# Altium PCB AIWAC_A33_LVDS07_20181114..PcbDoc (part 13 of 14)
Units mm, origin at the board's own origin, x right, y up, seen from the top; angles counter-clockwise.
Board outline 96.06 x 45 mm, 2 copper layers (Top Layer, Bottom Layer); 78 components, 59 nets, 22856 pads, 712 vias.
Unrouted connection lines stored in the file: 2.
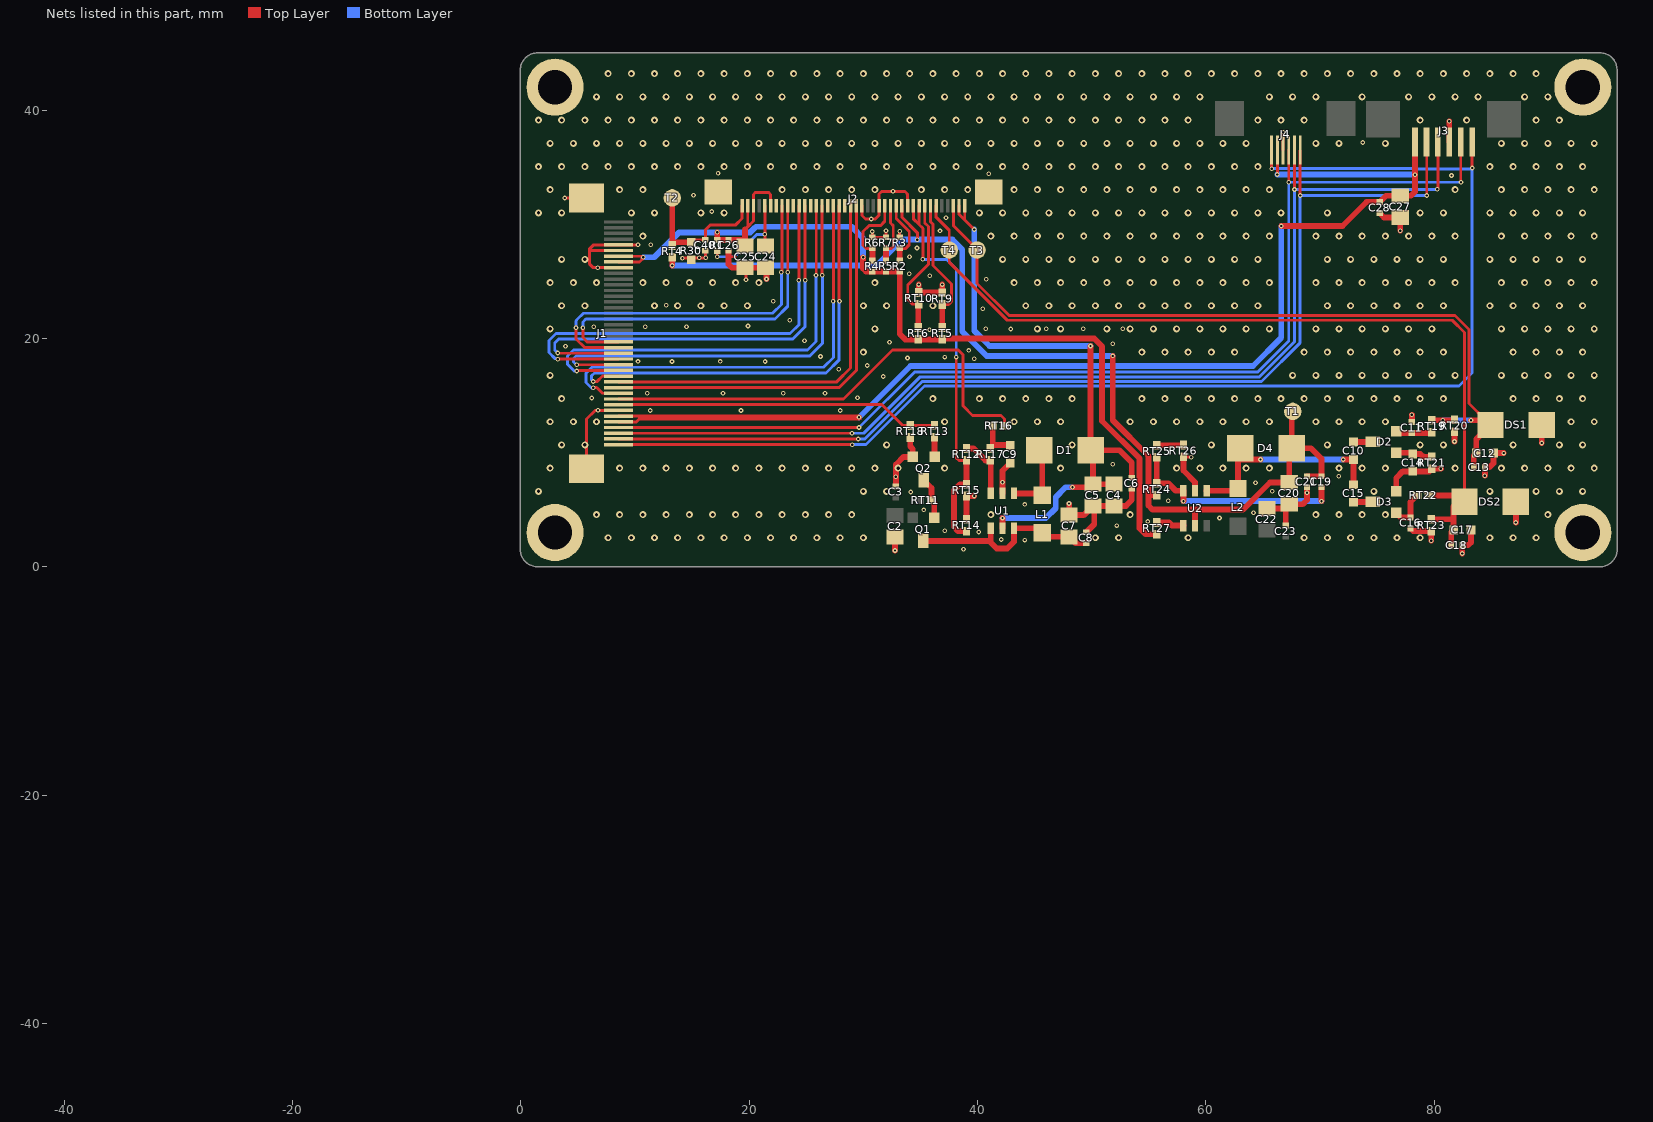
[diagram p13: the nets of this part, all layers, seen from the top]

## Via types
v1: diameter 0.61, hole 0.305, Top Layer to Bottom Layer, tented both sides, 555 vias
v2: diameter 0.406, hole 0.203, Top Layer to Bottom Layer, tented both sides, 157 vias

## Nets (pads, with @x,y where several pads share a name; then routed paths per layer and width w, separated by ;. In a path a pad name is that pad's centre, name@x,y a point inside that pad or via, vN(x,y) a via of type N, cw(c..) or ccw(c..) an arc to the next point about the centre after c; other vN are vias at no path point) (continued)
GND: C2.2 C3.2 C4.2 C5.2 C6.2 C7.2 C8.2 C9.1 C11.2 C12.1 C13.2 C14.1 C16.2 C17.1 C18.2 C20.2 C21.2 C22.2 C23.2 C24.2 C25.2 C26.2 C27.2 C28.2 C40.2 D3.2 DS1.1 DS2.2 J1.5 J1.6 J1.9 J1.34 J1.41 J1.42 J2.0 J2.7 J2.10 J2.13 J2.16 J2.19 J2.22 J2.25 J2.30 J3.4 J4.3 pad.0 Q2.2 R3.1 R6.1 R7.1 R30.1 RT9.2 RT10.2 RT14.2 RT15.2 RT18.2 RT20.1 RT21.1 RT23.1 RT26.1 U1.2 U2.2 | length 104
  Top Layer w0.254: v2(3.848,32.296) J1.42@5.751,32.296 ; J1.41@5.751,8.596 5.74,8.607 5.74,12.929 6.508,13.696 v2(6.756,13.696) J1.34@8.534,13.696 ; J1.9@8.534,26.196 v2(6.731,26.196) 6.341,26.196 5.994,26.543 5.994,27.813 ; J1.6@8.534,27.696 6.111,27.696 5.994,27.813 ; v2(10.262,28.194) 10.26,28.196 J1.5@8.534,28.196 6.377,28.196 5.994,27.813 ; v2(14.148,27.026) 14.783,27.026 R30.1@14.91,26.899 15.062,27.051 v2(15.621,27.051) v2(16.18,27.051) 16.18,27.648 C40.2@16.154,27.674 ; 18.186,27.102 18.236,27.151 18.783,27.151 ; C25.2@19.634,26.184 19.71,26.108 v2(19.71,25.146) ; J2.22@29.872,31.623 29.872,30.758 30.175,30.455 v2(30.683,30.455) 31.039,30.455 31.372,30.788 J2.25@31.372,31.623 31.372,32.642 31.598,32.868 33.63,32.868 33.872,32.625 J2.30@33.872,31.623 ; v2(30.759,29.362) 30.785,29.337 R6.1@30.785,28.854 R7.1@31.979,28.854 v2(31.979,29.439) ; R3.1@33.172,28.854 v2(33.172,29.388) ; RT26.1@58.024,9.623 58.046,9.601 v2(58.699,9.601) ; J4.3@66.751,36.485 v2(66.751,38.049)
  Top Layer w0.508: C26.2@18.186,27.674 18.186,27.102 18.186,26.492 18.495,26.184 C25.2@19.634,26.184 C24.2@21.438,26.184 21.514,26.108 v2(21.514,25.197) ; v2(32.766,1.422) C2.2@32.766,2.596 ; C3.2@32.842,7.036 v2(32.842,7.874) 32.842,8.966 33.503,9.627 Q2.2@34.328,9.627 34.328,10.325 34.1,10.554 RT18.2@34.1,11.329 ; v2(34.849,24.714) RT10.2@34.849,24.028 36.881,24.028 RT9.2@36.906,24.003 v2(36.906,24.714) ; RT14.2@39.025,4.162 RT15.2@39.025,6.194 v2(39.703,6.194) ; U1.2@42.175,6.423 v2(42.175,7.391) 42.175,8.404 C9.1@42.86,9.09 ; v2@48.017,5.527 C7.2@48.017,4.522 49.285,4.522 C5.2@50.099,5.336 ; C8.2@49.515,3.032 50.216,3.732 50.216,5.219 C5.2@50.099,5.336 ; C6.2@53.503,6.826 53.503,5.853 52.986,5.336 C4.2@51.954,5.336 C5.2@50.099,5.336 ; RT26.1@58.024,9.623 58.024,8.422 59.04,7.406 U2.2@59.04,6.652 ; C22.2@65.339,5.106 66.928,5.106 C20.2@66.99,5.168 ; C23.2@66.99,3.616 C20.2@66.99,5.168 ; C21.2@68.845,6.963 v2(68.845,6.477) 68.845,5.853 68.465,5.473 C20.2@67.295,5.473 C20.2@66.99,5.168 ; C28.2@75.209,30.973 75.595,30.587 C27.2@77.013,30.587 v2(77.013,29.439) ; D3.2@76.657,6.629 76.657,7.772 77.241,8.357 C14.1@78.105,8.357 79.553,8.357 RT21.1@79.781,8.585 v2(80.569,8.585) ; C16.2@77.915,3.353 78.143,3.124 RT23.1@79.731,3.124 v2(79.731,2.286) ; C11.2@78.029,12.675 v2(78.029,13.31) ; v2(81.305,39.014) 81.308,39.012 J3.4@81.308,37.2 ; v2(81.763,10.973) RT20.1@81.763,11.836 ; v2(82.448,1.168) 82.447,1.17 C18.2@82.447,1.88 82.956,1.88 83.209,2.133 C17.1@83.209,3.226 ; v2(84.422,7.983) C13.2@84.422,8.712 84.836,8.712 85.185,9.061 C12.1@85.185,9.957 v2(86.081,9.957) ; v2(87.137,3.876) DS2.2@87.137,5.69 ; v2(89.412,10.842) DS1.1@89.412,12.421
  other v1: 7.64,2.541 9.672,2.541 11.704,2.541 13.736,2.541 15.768,2.541 17.8,2.541 19.832,2.541 21.864,2.541 23.896,2.541 25.928,2.541 27.96,2.541 29.992,2.541 50.312,2.541 52.344,2.541 58.44,2.541 68.6,2.541 70.632,2.541 72.664,2.541 74.696,2.541 76.728,2.541 78.76,2.541 84.856,2.541 86.888,2.541 88.92,2.541 6.624,4.573 8.656,4.573 10.688,4.573 12.72,4.573 14.752,4.573 16.784,4.573 18.816,4.573 20.848,4.573 22.88,4.573 24.912,4.573 26.944,4.573 28.976,4.573 41.168,4.573 53.36,4.573 69.616,4.573 71.648,4.573 73.68,4.573 75.712,4.573 89.936,4.573 1.544,6.605 29.992,6.605 32.024,6.605 74.696,6.605 84.856,6.605 88.92,6.605 90.952,6.605 92.984,6.605 2.56,8.637 8.656,8.637 10.688,8.637 12.72,8.637 14.752,8.637 16.784,8.637 18.816,8.637 20.848,8.637 22.88,8.637 24.912,8.637 26.944,8.637 28.976,8.637 31.008,8.637 33.04,8.637 37.104,8.637 47.264,8.637 57.424,8.637 59.456,8.637 61.488,8.637 63.52,8.637 65.552,8.637 71.648,8.637 73.68,8.637 75.712,8.637 81.808,8.637 85.872,8.637 87.904,8.637 89.936,8.637 91.968,8.637 94,8.637 3.576,10.669 5.608,10.669 32.024,10.669 48.28,10.669 60.472,10.669 70.632,10.669 78.76,10.669 80.792,10.669 86.888,10.669 90.952,10.669 92.984,10.669 2.56,12.701 4.592,12.701 6.624,12.701 37.104,12.701 43.2,12.701 45.232,12.701 47.264,12.701 53.36,12.701 55.392,12.701 57.424,12.701 59.456,12.701 61.488,12.701 63.52,12.701 65.552,12.701 69.616,12.701 71.648,12.701 73.68,12.701 75.712,12.701 91.968,12.701 94,12.701 3.576,14.733 36.088,14.733 40.152,14.733 42.184,14.733 44.216,14.733 46.248,14.733 48.28,14.733 54.376,14.733 56.408,14.733 58.44,14.733 60.472,14.733 62.504,14.733 64.536,14.733 66.568,14.733 68.6,14.733 70.632,14.733 72.664,14.733 74.696,14.733 76.728,14.733 78.76,14.733 80.792,14.733 86.888,14.733 88.92,14.733 90.952,14.733 92.984,14.733 2.56,16.765 67.584,16.765 69.616,16.765 71.648,16.765 73.68,16.765 75.712,16.765 77.744,16.765 79.776,16.765 81.808,16.765 85.872,16.765 87.904,16.765 89.936,16.765 91.968,16.765 94,16.765 29.992,18.797 54.376,18.797 56.408,18.797 58.44,18.797 60.472,18.797 62.504,18.797 68.6,18.797 70.632,18.797 72.664,18.797 74.696,18.797 76.728,18.797 78.76,18.797 80.792,18.797 86.888,18.797 88.92,18.797 90.952,18.797 92.984,18.797 2.56,20.829 31.008,20.829 45.232,20.829 47.264,20.829 51.328,20.829 53.36,20.829 55.392,20.829 57.424,20.829 59.456,20.829 61.488,20.829 63.52,20.829 65.552,20.829 69.616,20.829 71.648,20.829 73.68,20.829 75.712,20.829 77.744,20.829 79.776,20.829 85.872,20.829 87.904,20.829 89.936,20.829 91.968,20.829 94,20.829 3.576,22.861 5.608,22.861 11.704,22.861 13.736,22.861 15.768,22.861 17.8,22.861 19.832,22.861 29.992,22.861 32.024,22.861 36.088,22.861 44.216,22.861 46.248,22.861 48.28,22.861 50.312,22.861 52.344,22.861 54.376,22.861 56.408,22.861 58.44,22.861 60.472,22.861 62.504,22.861 64.536,22.861 70.632,22.861 72.664,22.861 74.696,22.861 76.728,22.861 78.76,22.861 80.792,22.861 84.856,22.861 86.888,22.861 88.92,22.861 90.952,22.861 92.984,22.861 2.56,24.893 4.592,24.893 6.624,24.893 10.688,24.893 12.72,24.893 14.752,24.893 16.784,24.893 18.816,24.893 20.848,24.893 31.008,24.893 43.2,24.893 45.232,24.893 47.264,24.893 49.296,24.893 51.328,24.893 53.36,24.893 55.392,24.893 57.424,24.893 59.456,24.893 61.488,24.893 63.52,24.893 65.552,24.893 69.616,24.893 71.648,24.893 73.68,24.893 75.712,24.893 77.744,24.893 79.776,24.893 81.808,24.893 85.872,24.893 87.904,24.893 89.936,24.893 91.968,24.893 94,24.893 3.576,26.925 5.608,26.925 42.184,26.925 44.216,26.925 46.248,26.925 48.28,26.925 50.312,26.925 52.344,26.925 54.376,26.925 56.408,26.925 58.44,26.925 60.472,26.925 62.504,26.925 64.536,26.925 70.632,26.925 72.664,26.925 74.696,26.925 76.728,26.925 78.76,26.925 80.792,26.925 84.856,26.925 86.888,26.925 88.92,26.925 90.952,26.925 92.984,26.925 10.688,28.957 41.168,28.957 43.2,28.957 45.232,28.957 47.264,28.957 49.296,28.957 51.328,28.957 53.36,28.957 55.392,28.957 57.424,28.957 59.456,28.957 61.488,28.957 63.52,28.957 65.552,28.957 69.616,28.957 71.648,28.957 73.68,28.957 75.712,28.957 77.744,28.957 79.776,28.957 81.808,28.957 85.872,28.957 87.904,28.957 89.936,28.957 91.968,28.957 94,28.957 1.544,30.989 3.576,30.989 9.672,30.989 11.704,30.989 15.768,30.989 17.8,30.989 40.152,30.989 42.184,30.989 44.216,30.989 46.248,30.989 48.28,30.989 50.312,30.989 52.344,30.989 54.376,30.989 56.408,30.989 58.44,30.989 60.472,30.989 62.504,30.989 64.536,30.989 66.568,30.989 70.632,30.989 78.76,30.989 80.792,30.989 84.856,30.989 86.888,30.989 88.92,30.989 90.952,30.989 92.984,30.989 2.56,33.021 8.656,33.021 10.688,33.021 22.88,33.021 24.912,33.021 26.944,33.021 28.976,33.021 31.008,33.021 35.072,33.021 37.104,33.021 39.136,33.021 43.2,33.021 45.232,33.021 47.264,33.021 49.296,33.021 51.328,33.021 53.36,33.021 55.392,33.021 57.424,33.021 59.456,33.021 61.488,33.021 63.52,33.021 65.552,33.021 81.808,33.021 85.872,33.021 87.904,33.021 89.936,33.021 91.968,33.021 94,33.021 1.544,35.053 3.576,35.053 5.608,35.053 7.64,35.053 9.672,35.053 11.704,35.053 13.736,35.053 15.768,35.053 17.8,35.053 19.832,35.053 21.864,35.053 23.896,35.053 25.928,35.053 27.96,35.053 29.992,35.053 32.024,35.053 34.056,35.053 36.088,35.053 38.12,35.053 40.152,35.053 42.184,35.053 44.216,35.053 46.248,35.053 48.28,35.053 50.312,35.053 52.344,35.053 54.376,35.053 56.408,35.053 58.44,35.053 60.472,35.053 62.504,35.053 64.536,35.053 84.856,35.053 86.888,35.053 88.92,35.053 90.952,35.053 92.984,35.053 2.56,37.085 4.592,37.085 6.624,37.085 8.656,37.085 10.688,37.085 12.72,37.085 14.752,37.085 16.784,37.085 18.816,37.085 20.848,37.085 22.88,37.085 24.912,37.085 26.944,37.085 28.976,37.085 31.008,37.085 33.04,37.085 35.072,37.085 37.104,37.085 39.136,37.085 41.168,37.085 43.2,37.085 45.232,37.085 47.264,37.085 49.296,37.085 51.328,37.085 53.36,37.085 55.392,37.085 57.424,37.085 59.456,37.085 61.488,37.085 63.52,37.085 69.616,37.085 71.648,37.085 75.712,37.085 85.872,37.085 87.904,37.085 89.936,37.085 91.968,37.085 94,37.085 1.544,39.117 3.576,39.117 5.608,39.117 7.64,39.117 9.672,39.117 11.704,39.117 13.736,39.117 15.768,39.117 17.8,39.117 19.832,39.117 21.864,39.117 23.896,39.117 25.928,39.117 27.96,39.117 29.992,39.117 32.024,39.117 34.056,39.117 36.088,39.117 38.12,39.117 40.152,39.117 42.184,39.117 44.216,39.117 46.248,39.117 48.28,39.117 50.312,39.117 52.344,39.117 54.376,39.117 56.408,39.117 58.44,39.117 64.536,39.117 66.568,39.117 68.6,39.117 78.76,39.117 82.824,39.117 88.92,39.117 90.952,39.117 6.624,41.149 8.656,41.149 10.688,41.149 12.72,41.149 14.752,41.149 16.784,41.149 18.816,41.149 20.848,41.149 22.88,41.149 24.912,41.149 26.944,41.149 28.976,41.149 31.008,41.149 33.04,41.149 35.072,41.149 37.104,41.149 39.136,41.149 41.168,41.149 43.2,41.149 45.232,41.149 47.264,41.149 49.296,41.149 51.328,41.149 53.36,41.149 55.392,41.149 57.424,41.149 59.456,41.149 65.552,41.149 67.584,41.149 69.616,41.149 73.68,41.149 77.744,41.149 79.776,41.149 81.808,41.149 83.84,41.149 87.904,41.149 89.936,41.149 7.64,43.181 9.672,43.181 11.704,43.181 13.736,43.181 15.768,43.181 17.8,43.181 19.832,43.181 21.864,43.181 23.896,43.181 25.928,43.181 27.96,43.181 29.992,43.181 32.024,43.181 34.056,43.181 36.088,43.181 38.12,43.181 40.152,43.181 42.184,43.181 44.216,43.181 46.248,43.181 48.28,43.181 50.312,43.181 52.344,43.181 54.376,43.181 56.408,43.181 58.44,43.181 60.472,43.181 62.504,43.181 64.536,43.181 66.568,43.181 68.6,43.181 70.632,43.181 72.664,43.181 74.696,43.181 76.728,43.181 78.76,43.181 80.792,43.181 82.824,43.181 84.856,43.181 86.888,43.181 88.92,43.181
  other v2: 38.76,1.525 44.12,2.337 42.083,2.388 40.107,3.049 37.109,3.15 52.197,3.608 54.889,3.963 61.189,4.268 64.16,4.724 35.281,4.979 44.115,5.461 48.006,5.537 56.693,5.792 34.158,6.553 65.811,6.605 64.333,7.366 71.628,7.925 51.836,8.966 11.328,13.691 19.279,13.691 27.965,13.691 6.198,14.783 29.484,14.808 11.074,15.189 17.704,15.189 22.982,15.189 26.639,15.189 31.75,16.663 27.838,17.297 30.348,17.628 10.262,17.984 13.233,17.983 17.475,17.984 21.387,17.983 39.7,18.212 33.858,18.288 37.135,18.364 26.238,18.415 39.218,18.948 3.912,19.304 51.841,19.533 32.283,19.66 24.841,19.787 35.789,20.752 42.901,20.828 40.716,20.853 45.999,20.853 49.251,20.853 52.705,20.853 6.375,21.031 10.897,21.031 14.503,21.032 19.888,21.082 23.546,21.59 40.462,22.606 12.725,22.911 22.098,23.241 40.762,25.171 35.814,25.476 34.011,25.654 34.036,27.153 34.696,27.915 11.379,28.194 36.703,29.413 37.236,30.556 16.713,31.115 15.113,32.537 32.588,32.893 81.503,34.265 40.97,34.417 17.272,34.468 73.736,37.16
I2C_SCK: J1.39 J3.2 J4.6 | length 95.9
  Top Layer w0.254: J1.39@8.534,11.196 v2(29.56,11.196) ; v2(68.25,32.512) J4.6@68.25,36.433 ; v2@79.334,32.447 79.334,32.512 79.334,37.2 J3.2@79.334,37.211
  Bottom Layer w0.254: v2(29.56,11.196) 30.119,11.196 35.154,16.231 64.853,16.231 68.25,19.628 v2(68.25,32.512) v2(79.323,32.512)
I2C_SDA: J1.38 J3.3 J4.5 | length 96
  Top Layer w0.254: J1.38@8.534,11.696 v2(28.995,11.696) ; v2(67.751,33.045) J4.5@67.751,36.485 ; v2(80.264,33.071) 80.308,33.115 J3.3@80.308,37.2
  Bottom Layer w0.254: v2(28.995,11.696) 30.035,11.696 34.976,16.637 64.684,16.637 67.751,19.704 v2(67.751,33.045) 80.239,33.045 v2(80.264,33.071)
LCD-BL-EN: J1.33 RT13.2 RT18.1 | length 28.5
  Top Layer w0.254: J1.33@8.534,14.196 31.626,14.196 33.426,12.395 34.074,12.395 RT18.1@34.1,12.37 36.208,12.37 RT13.2@36.233,12.395
LCD_5V: C7.1 C8.1 L1.1 Q1.3 U1.4 U1.6 | length 17.8
  Top Layer w0.508: Q1.3@35.243,2.261 41.021,2.261 41.159,2.123 ; U1.4@41.159,3.375 41.159,2.123 ; C8.1@49.515,2.067 48.572,2.067 C7.1@48.017,2.622 46.001,2.622 L1.1@45.654,2.969 45.248,3.375 U1.6@43.191,3.375 43.191,2.195 42.596,1.6 41.681,1.6 41.159,2.123
LCD_AVDD: C19.1 C20.1 C21.1 D4.2 J2.29 RT4.2 RT24.1 T1.1 U2.5 | length 94.4
  Top Layer w0.254: J2.29@33.372,31.623 33.372,30.611 34.722,29.261 v2(34.722,28.651)
  Top Layer w0.508: v2(13.259,26.391) RT4.2@13.259,27.102 ; v2(51.841,18.466) 51.841,12.827 54.964,9.705 54.964,6.198 ; RT24.1@55.687,6.271 55.036,6.271 54.964,6.198 ; U2.5@59.04,3.604 59.04,4.837 59.207,5.004 ; T1.1@67.6,13.611 67.503,13.514 D4.2@67.503,10.385 ; C21.1@68.845,7.928 C19.1@70.115,7.928 70.115,9.464 69.193,10.385 D4.2@67.503,10.385 ; 54.964,6.198 54.964,5.361 55.321,5.004 59.207,5.004 ; 59.207,5.004 63.246,5.004 65.615,7.373 C20.1@67.295,7.373 67.295,10.178 D4.2@67.503,10.385
  Bottom Layer w0.508: v2(13.259,26.391) 31.14,26.391 33.401,28.651 v2(34.722,28.651) 37.795,28.651 38.659,27.788 38.659,20.599 40.792,18.466 v2(51.841,18.466)
LCD_RST: C24.1 J2.5 R1.1 | length 9.1
  Top Layer w0.254: v2(17.196,27.153) R1.1@17.196,27.661 ; J2.5@21.372,31.623 v2(21.372,29.108) 21.372,28.15 C24.1@21.438,28.084
  Bottom Layer w0.254: v2(17.196,27.153) 18.703,27.153 20.659,29.108 v2(21.372,29.108)
LCD_VCOM: C40.1 J2.1 R30.2 RT4.1 T2.1 | length 12.9
  Top Layer w0.254: R30.2@14.91,28.423 15.126,28.639 C40.1@16.154,28.639 16.154,29.489 16.612,29.947 18.821,29.947 19.372,30.497 J2.1@19.372,31.623
  Top Layer w0.508: T2.1@13.259,32.309 RT4.1@13.259,28.143 13.538,28.423 R30.2@14.91,28.423
LCD_VGH: C12.2 C13.1 DS1.2 J2.38 RT19.1 RT20.2 T3.1 | length 71.6
  Top Layer w0.254: J2.38@37.872,31.623 37.872,29.895 39.954,27.813 T3.1@39.954,27.737 39.954,24.816 42.774,21.996 81.813,21.996 83.043,20.767 83.043,14.29 84.506,12.827 DS1.2@84.912,12.421
  Top Layer w0.508: RT19.1@79.781,12.827 v2(80.747,12.827) 81.712,12.827 RT20.2@81.763,12.878 ; v2(83.21,12.827) DS1.2@84.506,12.827 ; C13.1@83.457,8.712 83.457,9.753 C12.2@83.661,9.957 83.661,11.169 DS1.2@84.912,12.421
  Bottom Layer w0.508: v2(80.747,12.827) v2(83.21,12.827)
LCD_VGL: C17.2 C18.1 DS2.1 J2.35 RT22.1 RT23.2 T4.1 | length 76.7
  Top Layer w0.254: J2.35@36.372,31.623 36.372,30.608 37.516,29.464 T4.1@37.516,27.737 37.516,26.67 42.596,21.59 81.559,21.59 82.637,20.513 DS2.1@82.637,5.69
  Top Layer w0.508: RT22.1@79.527,6.248 82.078,6.248 DS2.1@82.637,5.69 ; RT23.2@79.731,4.166 81.609,4.166 81.685,4.242 ; C18.1@81.482,1.88 81.482,3.022 C17.2@81.685,3.226 81.685,4.242 ; DS2.1@81.685,5.284 81.685,4.242
LCDS0_VN3: J1.29 J2.20 | length 35.1
  Top Layer w0.254: J1.29@8.534,16.196 27.67,16.196 28.872,17.398 J2.20@28.872,31.623
LCDS0_VP3: J1.30 J2.21 | length 35.9
  Top Layer w0.254: J1.30@8.534,15.696 9.931,15.696 9.935,15.692 27.884,15.692 29.38,17.188 J2.21@29.38,31.623
LR: J2.33 RT6.2 RT10.1 | length 12.3
  Top Layer w0.254: RT10.1@34.849,22.987 34.315,22.987 33.884,23.419 33.884,24.689 35.687,26.492 35.687,29.794 35.372,30.109 J2.33@35.372,31.623
  Top Layer w0.508: RT6.2@34.798,20.955 34.798,22.936 RT10.1@34.849,22.987
LVDS0_VN0: J1.23 J2.8 | length 32.8
  Top Layer w0.254: v2@4.826,21.031 v2(4.826,20.93) 4.826,19.957 5.587,19.196 J1.23@8.534,19.196 ; v2@22.868,25.781 22.868,30.892 22.872,30.896 J2.8@22.872,31.623
  Bottom Layer w0.254: v2@4.826,21.031 4.826,21.539 4.928,21.641 4.928,21.648 5.479,22.2 22.04,22.2 22.817,22.977 v2(22.817,25.781)
LVDS0_VN1: J1.25 J2.11 | length 40.3
  Top Layer w0.254: v2(3.226,18.167) 3.251,18.192 7.133,18.192 7.137,18.196 J1.25@8.534,18.196 ; v2@24.372,25.095 J2.11@24.372,31.623
  Bottom Layer w0.254: v2(3.226,18.167) 3.175,18.217 3.015,18.217 2.464,18.769 2.464,19.819 3.084,20.439 23.581,20.439 24.372,21.229 24.372,25.07 v2(24.346,25.095)
LVDS0_VN2: J1.27 J2.14 | length 39.6
  Top Layer w0.254: v2(4.902,17.145) 4.947,17.19 7.131,17.19 7.137,17.196 J1.27@8.534,17.196 ; v2(25.842,25.527) 25.872,25.556 J2.14@25.872,31.623
  Bottom Layer w0.254: v2(4.902,17.145) 4.674,17.145 4.089,17.73 4.089,18.448 4.616,18.974 25.096,18.974 25.842,19.721 v2(25.842,25.527)
LVDS0_VNC: J1.31 J2.17 | length 39.6
  Top Layer w0.254: v2(6.35,15.667) 6.375,15.692 6.641,15.692 7.137,15.196 J1.31@8.534,15.196 ; v2(27.342,23.248) 27.372,23.219 J2.17@27.372,31.623
  Bottom Layer w0.254: v2(6.35,15.667) 6.19,15.667 5.71,16.147 5.71,16.956 6.229,17.475 26.504,17.475 27.368,18.339 27.368,23.223 v2(27.342,23.248)
LVDS0_VP0: J1.22 J2.9 | length 31.9
  Top Layer w0.254: v2(5.436,20.93) 5.436,20.066 5.806,19.696 J1.22@8.534,19.696 ; J2.9@23.372,31.623 23.372,30.896 23.376,30.892 v2(23.376,25.781)
  Bottom Layer w0.254: v2(5.436,20.93) 5.436,21.438 5.69,21.692 22.25,21.692 23.376,22.817 v2(23.376,25.781)
LVDS0_VP1: J1.24 J2.12 | length 39.4
  Top Layer w0.254: v2(3.226,18.725) 3.251,18.7 7.133,18.7 7.137,18.696 J1.24@8.534,18.696 ; v2@24.872,25.095 J2.12@24.872,31.623
  Bottom Layer w0.254: v2(3.226,18.725) 2.972,18.979 2.972,19.609 3.294,19.931 23.792,19.931 24.88,21.019 24.88,25.07 v2(24.905,25.095)
LVDS0_VP2: J1.26 J2.15 | length 38.8
  Top Layer w0.254: v2@4.851,17.704 4.859,17.696 J1.26@8.534,17.696 ; J2.15@26.372,31.623 26.372,25.556 v2(26.401,25.527)
  Bottom Layer w0.254: v2(4.902,17.704) 4.834,17.704 4.597,17.94 4.597,18.237 4.827,18.466 25.306,18.466 25.604,18.764 26.401,19.561 v2(26.401,25.527)
LVDS0_VPC: J1.28 J2.18 | length 38.8
  Top Layer w0.254: v2(6.35,16.225) 6.375,16.2 6.641,16.2 7.137,16.696 J1.28@8.534,16.696 ; J2.18@27.872,31.623 27.872,23.219 v2(27.901,23.248)
  Bottom Layer w0.254: v2(6.35,16.225) 6.198,16.378 6.198,16.725 6.439,16.967 26.715,16.967 27.876,18.128 27.876,23.223 v2(27.901,23.248)
NBW: J2.26 R4.1 R6.2 | length 6.8
  Top Layer w0.254: R6.2@30.785,27.889 30.226,27.889 29.972,28.143 29.972,29.362 30.48,29.87 31.486,29.87 31.872,30.257 J2.26@31.872,31.623
  Top Layer w0.508: R4.1@30.785,26.822 R6.2@30.785,27.889
NetC9_2: C9.2 RT16.1 RT17.2 | length 3.7
  Top Layer w0.508: RT17.2@41.108,10.36 RT17.2@41.319,10.571 ; RT16.1@41.319,12.341 RT17.2@41.319,10.571 ; C9.2@42.86,10.614 42.806,10.668 41.416,10.668 RT17.2@41.319,10.571
NetC10_1: C10.1 D2.3 | length 1.7
  Top Layer w0.508: C10.1@72.923,10.922 74.6,10.922 D2.3@74.625,10.947
NetC11_1: C11.1 D2.2 RT19.2 | length 3.2
  Top Layer w0.508: D2.2@76.657,11.887 76.835,11.709 C11.1@78.029,11.709 79.705,11.709 RT19.2@79.781,11.786
NetC15_1: C15.1 D3.3 | length 1.7
  Top Layer w0.508: C15.1@72.923,5.664 74.6,5.664 D3.3@74.625,5.69
NetC16_1: C16.1 D3.1 RT22.2 | length 3.6
  Top Layer w0.508: D3.1@76.657,4.724 77.064,4.318 C16.1@77.915,4.318 77.915,5.677 RT22.2@78.486,6.248
NetC19_2: C19.2 RT24.2 RT25.2 U2.3 | length 19.1
  Top Layer w0.508: RT25.2@55.687,9.598 RT24.2@55.687,7.312 56.696,7.312 57.356,6.652 U2.3@58.024,6.652 v2(58.024,5.751) ; v2(70.115,5.751) C19.2@70.115,6.963
  Bottom Layer w0.508: v2(58.024,5.751) v2(70.115,5.751)
NetD1_1: D1.1 L1.2 U1.1 | length 6.6
  Top Layer w0.508: U1.1@43.191,6.423 45.502,6.423 L1.2@45.654,6.271 45.654,9.954 D1.1@45.4,10.208
NetQ1_1: Q1.1 Q2.3 RT11.2 | length 3.7
  Top Layer w0.508: Q2.3@35.268,7.595 35.954,6.909 RT11.2@35.954,5.817 36.208,5.563 Q1.1@36.208,4.293
NetQ2_1: Q2.1 RT13.1 | length 1.7
  Top Layer w0.508: Q2.1@36.233,9.627 RT13.1@36.233,11.354
NetRT12_2: RT12.2 RT17.1 U1.3 | length 5.4
  Top Layer w0.508: RT12.2@39.025,10.36 39.653,10.36 40.694,9.319 RT17.1@41.108,9.319 41.159,9.268 U1.3@41.159,6.423
NetRT25_1: RT25.1 RT26.2 | length 2.3
  Top Layer w0.508: RT25.1@55.687,10.639 57.999,10.639 RT26.2@58.024,10.665
NetRT27_1: RT27.1 U2.4 | length 2.5
  Top Layer w0.508: RT27.1@55.687,3.883 56.772,3.883 57.052,3.604 U2.4@58.024,3.604
PWM0: J1.32 RT16.2 | length 41.3
  Top Layer w0.254: J1.32@8.534,14.696 28.26,14.696 32.537,18.974 38.303,18.974 38.735,18.542 38.735,14.072 39.548,13.259 42.056,13.259 42.36,12.954 RT16.2@42.36,12.341
SELB: J2.28 R2.1 R3.2 | length 5.9
  Top Layer w0.254: J2.28@32.872,31.623 32.872,30.501 34.011,29.362 34.011,28.194 33.706,27.889 R3.2@33.172,27.889
  Top Layer w0.508: R2.1@33.172,26.822 R3.2@33.172,27.889
TP_INT: J1.37 J3.5 J4.4 | length 97.2
  Top Layer w0.254: J1.37@8.534,12.196 29.612,12.196 v2(29.616,12.192) ; v2(67.251,33.672) J4.4@67.251,36.485 ; J3.5@82.308,37.2 82.308,33.694 v2(82.329,33.672)
  Bottom Layer w0.254: v2(29.616,12.192) 34.468,17.043 64.516,17.043 67.251,19.779 v2(67.251,33.672) v2(82.329,33.672)
TP_WAKEUP: J1.40 J3.6 J4.1 | length 116.8
  Top Layer w0.254: J1.40@8.534,10.696 v2(29.03,10.696) ; v2(65.751,34.849) J4.1@65.751,36.485 ; v2(83.308,34.929) J3.6@83.308,37.2
  Bottom Layer w0.254: v2(29.03,10.696) 30.229,10.696 35.357,15.824 82.169,15.824 83.308,16.963 v2(83.308,34.929) 83.228,34.849 78.555,34.849 ; v2(65.751,34.849) 65.794,34.892 78.512,34.892
UD: J2.34 RT5.2 RT9.1 | length 12.1
  Top Layer w0.254: J2.34@35.872,31.623 35.872,30.219 36.093,29.997 36.093,26.391 37.719,24.765 37.719,23.216 37.465,22.962 RT9.1@36.906,22.962
  Top Layer w0.508: RT5.2@36.906,20.955 RT9.1@36.906,22.962
V_SW: C10.2 C15.2 D4.1 L2.2 U2.1 | length 18.1
  Top Layer w0.508: U2.1@60.056,6.652 62.596,6.652 L2.2@62.799,6.855 62.799,9.703 63.104,9.398 v2(64.77,9.398) ; v2(72.034,9.398) C10.2@72.923,9.398 C15.2@72.923,7.188
  Bottom Layer w0.508: v2(64.77,9.398) v2(72.034,9.398)
VCC-CTP: C27.1 C28.1 J1.35 J1.36 J3.1 J4.2 | length 104.5
  Top Layer w0.254: J1.36@8.534,12.696 10.117,12.696 10.502,13.081 ; J1.35@8.534,13.196 10.617,13.196 ; v2(66.251,34.358) J4.2@66.251,36.485
  Top Layer w0.508: 10.502,13.081 v2(29.616,13.081) ; v2(66.599,29.845) 71.958,29.845 74.051,31.938 C28.1@75.209,31.938 75.757,32.487 C27.1@77.013,32.487 77.953,32.487 78.308,32.842 v2(78.308,34.341) J3.1@78.308,37.186
  Bottom Layer w0.508: v2(29.616,13.081) 34.112,17.577 64.11,17.577 66.599,20.066 v2(66.599,29.845) ; v2(66.251,34.358) 78.291,34.358 v2(78.308,34.341)
VCC_AVDD: C14.2 D2.1 RT21.2 | length 3.3
  Top Layer w0.508: D2.1@76.657,9.982 78.003,9.982 C14.2@78.105,9.881 78.765,9.881 79.019,9.627 RT21.2@79.781,9.627
VCC_LCD: C25.1 C26.1 J1.7 J1.8 J2.2 J2.3 J2.6 R1.2 R2.2 R4.2 R5.2 RT5.1 RT6.1 RT27.2 | length 86.4
  Top Layer w0.254: J1.8@8.534,26.696 10.397,26.696 v2@10.761,27.06 ; J1.7@8.534,27.196 v2@10.719,27.196 ; C26.1@18.173,28.626 C26.1@18.186,28.639 ; 19.634,29.54 19.872,29.778 ; J2.2@19.872,31.623 19.872,29.778 ; J2.6@21.872,31.623 21.872,32.611 21.692,32.791 20.574,32.791 20.372,32.589 J2.3@20.372,31.623 20.372,30.278 19.872,29.778
  Top Layer w0.508: v2(17.196,29.286) R1.2@17.196,28.626 C26.1@18.173,28.626 ; C26.1@18.186,28.639 19.622,28.639 C25.1@19.634,28.651 ; C25.1@19.634,28.084 C25.1@19.634,28.651 ; 19.634,29.54 C25.1@19.634,28.651 ; v2(29.972,27.102) 29.972,26.111 30.226,25.857 R4.2@30.785,25.857 R5.2@31.979,25.857 R2.2@33.172,25.857 33.172,20.396 33.655,19.914 RT6.1@34.798,19.914 RT5.1@36.906,19.914 36.982,19.99 50.216,19.99 50.902,19.304 50.902,12.776 54.189,9.489 54.189,3.368 54.715,2.842 RT27.2@55.687,2.842
  Bottom Layer w0.508: v2(10.719,27.102) 11.684,27.102 13.868,29.286 v2(17.196,29.286) 20.082,29.286 20.438,29.642 20.447,29.642 20.583,29.778 28.972,29.778 29.972,28.778 v2(29.972,27.102)
VLED+: C4.1 C5.1 C6.1 D1.2 J2.39 J2.40 U1.5 | length 53.6
  Top Layer w0.254: J2.39@38.372,31.623 38.372,30.869 38.872,30.369 ; J2.40@38.872,31.623 38.872,30.369 ; v2(39.7,29.54) 38.872,30.369
  Top Layer w0.508: U1.5@42.175,3.375 v2@42.175,4.264 ; v2(48.311,6.96) 49.823,6.96 C5.1@50.099,7.236 ; v2(49.886,19.329) 49.886,10.447 50.013,10.32 D1.2@49.9,10.208 ; C4.1@51.954,7.236 C5.1@50.099,7.236 ; C6.1@53.503,7.791 53.503,9.133 52.429,10.208 D1.2@49.9,10.208 ; D1.2@49.9,10.208 50.099,10.009 C5.1@50.099,7.236
  Bottom Layer w0.508: v2(39.7,29.54) 39.7,20.676 41.046,19.329 v2(49.886,19.329) ; v2(42.175,4.264) 45.971,4.264 46.838,5.131 46.838,6.096 47.701,6.96 v2(48.311,6.96)
VLED-: J2.31 J2.32 RT12.1 RT14.1 RT15.1 | length 35.4
  Top Layer w0.254: J2.31@34.372,31.623 34.372,30.474 34.872,29.974 ; J2.32@34.872,31.623 34.872,29.974 ; v2(35.204,26.924) 35.204,29.642 34.872,29.974 ; v2(38.125,18.364) 38.125,9.55 38.357,9.319 RT12.1@39.025,9.319
  Top Layer w0.508: RT14.1@39.025,3.121 38.306,3.121 37.922,3.505 37.922,6.706 38.452,7.236 RT15.1@39.025,7.236 RT12.1@39.025,9.319
  Bottom Layer w0.254: v2(35.204,26.924) 37.274,26.924 38.125,26.073 v2(38.125,18.364)
XON: J2.27 R5.1 R7.2 | length 5.4
  Top Layer w0.254: R7.2@31.979,27.889 32.461,27.889 32.614,28.042 32.614,29.87 32.372,30.112 J2.27@32.372,31.623
  Top Layer w0.508: R5.1@31.979,26.822 R7.2@31.979,27.889
pads on no net: J2.4 J2.23 J2.24 J2.36 J2.37 J3.7 J3.8 J4.0
copper on no net: | length 3.2
  Top Layer w0.508: 17.272,32.823 17.272,34.468 ; 40.97,34.417 40.972,34.415 40.972,32.823

## Polygon pours and split planes (outlines as drawn)
GND on Top Layer "AutoNaming" (hatched 90Degree grid 0.102 track 0.127, remove dead copper, pour order 9): 1.5,45 1.534,45.034 94.717,45.034 94.894,45.034 96.037,43.891 95.961,43.815 95.961,1.245 95.961,0.965 94.971,-0.025 89.865,-0.025 0.94,-0.025 -0.051,0.965 -0.076,0.991 -0.076,3.556 -0.076,44.069 0.508,44.653 0.855,45 1.5,45
ACIN5V on Top Layer "g" (hatched 90Degree grid 0.102 track 0.127, remove dead copper, pour order 5): 5.232,28.931 5.334,28.931 5.817,29.413 5.817,29.921 6.147,30.251 6.198,30.302 6.833,30.302 6.833,28.677 6.68,28.524 6.655,28.499 5.613,28.499 5.309,28.499 5.055,28.753 5.08,28.778 5.08,28.88
VLED+ on Drill Drawing "g" (hatched 90Degree grid 0.102 track 0.127, remove dead copper): 38.303,31.115 38.303,30.607 38.379,30.531 39.548,29.362 39.7,29.362 39.802,29.362 40.005,29.566 39.003,30.567 39.003,30.601 39.003,30.85 39,30.853 38.829,31.024 38.515,31.024
VCC_LCD on Drill Drawing "g" (hatched 90Degree grid 0.102 track 0.127, remove dead copper): 17.12,29.54 17.17,29.489 19.101,29.489 19.15,29.489 19.745,30.084 19.787,30.126 19.787,30.556 19.787,30.687 19.872,30.772 19.961,30.861 20.396,30.861 20.41,30.861 20.499,30.772 20.583,30.688 20.583,29.778 20.583,29.422 20.371,29.21 20.345,29.185 20.345,28.423 17.382,28.423 16.924,28.881 16.942,28.899 16.942,29.286 16.942,29.337 17.145,29.54
GND on Bottom Layer "Bottom Layer-No Net" (solid, remove dead copper, pour order 11): 1.397,45.009 95.021,45.009 95.021,44.856 96.063,43.815 95.936,43.688 95.936,1.436 94.5,0 1.444,0 -0.056,1.5 0.33,1.886 0.33,44.425 0.925,44.425 1.5,45

## Keep-outs
Keep-Out Layer:
  the board outline again, w0.2

## Other copper
Top Layer:
  pour cut-out: 10.109,12.471 10.566,12.929 29.794,12.929 29.82,12.954 29.992,12.781 29.992,12.378 10.436,12.378 10.117,12.696
  pour cut-out: 32.08,28.397 32.182,28.296 32.182,26.568 33.35,26.568 33.401,26.62 33.325,26.696 33.325,28.753 32.411,28.753 32.08,28.423
  pour cut-out: 82.347,12.675 82.448,12.573 84.049,12.573 84.049,8.84 84.15,8.738 83.743,8.331 82.596,8.331 82.519,8.255 82.215,8.56 82.215,12.357
  pour cut-out: 51.054,19.406 51.841,18.619 51.841,12.731 51.43,12.319 51.251,12.497 50.876,12.497 50.876,19.279 50.902,19.304
Bottom Layer:
  pour cut-out: 78.384,34.951 81.178,34.951 81.331,34.798 81.199,34.666 81.199,33.471 78.517,33.471 78.48,33.509 78.48,35.053

## Silkscreen, mask and mechanical layers (free items; w line width, h text height)
Top Overlay:
  region: 133.474,-55.804 79.074,-55.804 76.674,-58.204 76.674,-92.704 77.274,-92.704 133.474,-92.604
  lines w0.203: 37.49,26.708 37.49,26.06 39.167,24.384 41.173,24.384
  text "AIWAC_LVDS-LCD驱动板V1.1_20181222" at 24.968,42.291 h1.52
  text "1" at 65.532,33.655 h0.76
  text "TP_WAKEUP" at 57.45,30.735 h0.76 r90
  text "VCC_CTP" at 58.567,30.735 h0.76 r90
  text "GND" at 59.685,30.735 h0.76 r90
  text "IP_INT" at 60.904,30.735 h0.76 r90
  text "I2C_SDA" at 62.103,30.735 h0.76 r90
  text "I2C_SCK" at 63.348,30.735 h0.76 r90
  text "VCC_CTP" at 83.16,30.099 h0.76 r90
  text "I2C_SCK" at 84.557,30.099 h0.76 r90
  text "I2C_SDA" at 85.852,30.099 h0.76 r90
  text "GND" at 87.122,30.099 h0.76 r90
  text "IP_INT" at 88.316,30.099 h0.76 r90
  text "TP_WAKEUP" at 89.484,30.099 h0.76 r90
  text "1" at 11.1,30.023 h0.76 r90
  text "40" at 10.998,9.22 h0.76 r90
Mechanical 1:
  lines w0.254: 0.34,46.48 0.341,46.988 ; 1.863,46.223 0.34,46.734 ; 1.865,47.239 0.34,46.734 ; 40.234,46.66 0.34,46.734 ; 56.281,46.63 96.175,46.556 ; 94.65,46.051 96.175,46.556 ; 94.652,47.067 96.175,46.556 ; 96.174,46.302 96.175,46.81 ; 96.723,1.401 97.198,-0.133 ; 96.944,-0.128 97.452,-0.139 ; 97.523,15.233 97.198,-0.133 ; 97.61,43.354 98.15,44.867 ; 97.738,1.379 97.198,-0.133 ; 97.825,29.5 98.15,44.867 ; 97.896,44.872 98.404,44.861 ; 98.626,43.332 98.15,44.867
  text "95.834 (mm)" at 40.486,45.745 h1.52 r359.89
  text "45.01 (mm)" at 98.443,15.467 h1.52 r88.79
Mechanical 2:
  drawing of 19725 lines, arcs and shapes, not listed
Mechanical 3:
  drawing of 7932 lines, arcs and shapes, not listed
Mechanical 4:
  lines w0: -39.046,-44.143 -39.046,-44.141 ; -39.046,-44.143 -39.045,-44.143 ; -39.046,-44.143 -39.046,-44.141 ; -39.046,-44.143 -39.045,-44.143 ; -39.046,-44.143 -39.045,-44.143 ; -39.046,-44.143 -39.046,-44.141 ; -39.046,-44.141 -39.045,-44.141 ; -39.046,-44.141 -39.045,-44.141 ; -39.046,-44.141 -39.045,-44.141 ; -39.045,-44.143 -39.045,-44.141 ; -39.045,-44.143 -39.045,-44.141 ; -39.045,-44.143 -39.045,-44.141 ; -39.043,-44.112 -39.042,-44.112 ; -39.043,-44.112 -39.043,-44.108 ; -39.043,-44.112 -39.042,-44.112 ; -39.043,-44.112 -39.043,-44.108 ; -39.043,-44.112 -39.043,-44.108 ; -39.043,-44.112 -39.042,-44.112 ; -39.043,-44.108 -39.042,-44.108 ; -39.043,-44.108 -39.042,-44.108 ; -39.043,-44.108 -39.042,-44.108 ; -39.044,-44.1 -39.044,-44.097 ; -39.044,-44.1 -39.042,-44.1 ; -39.044,-44.1 -39.044,-44.097 ; -39.044,-44.1 -39.042,-44.1 ; -39.044,-44.1 -39.042,-44.1 ; -39.044,-44.1 -39.044,-44.097 ; -39.044,-44.097 -39.042,-44.097 ; -39.044,-44.097 -39.042,-44.097 ; -39.044,-44.097 -39.042,-44.097 ; -39.042,-44.1 -39.042,-44.097 ; -39.042,-44.1 -39.042,-44.097 ; -39.042,-44.1 -39.042,-44.097 ; -39.042,-44.112 -39.042,-44.108 ; -39.042,-44.112 -39.042,-44.108 ; -39.042,-44.112 -39.042,-44.108 ; -39.041,-44.11 -39.041,-44.108 ; -39.041,-44.11 -39.038,-44.11 ; -39.041,-44.11 -39.041,-44.108 ; -39.041,-44.11 -39.038,-44.11 ; -39.041,-44.11 -39.038,-44.11 ; -39.041,-44.11 -39.041,-44.108 ; -39.041,-44.108 -39.038,-44.108 ; -39.041,-44.108 -39.038,-44.108 ; -39.041,-44.108 -39.038,-44.108 ; -39.038,-44.122 -39.036,-44.122 ; -39.038,-44.122 -39.038,-44.121 ; -39.038,-44.122 -39.036,-44.122 ; -39.038,-44.122 -39.038,-44.121 ; -39.038,-44.122 -39.038,-44.121 ; -39.038,-44.122 -39.036,-44.122 ; -39.038,-44.121 -39.036,-44.121 ; -39.038,-44.121 -39.036,-44.121 ; -39.038,-44.121 -39.036,-44.121 ; -39.038,-44.11 -39.038,-44.108 ; -39.038,-44.11 -39.038,-44.108 ; -39.038,-44.11 -39.038,-44.108 ; -39.036,-44.122 -39.036,-44.121 ; -39.036,-44.122 -39.036,-44.121 ; -39.036,-44.122 -39.036,-44.121 ; -39.036,-44.104 -39.036,-44.101 ; -39.036,-44.104 -39.034,-44.104 ; -39.036,-44.104 -39.036,-44.101 ; -39.036,-44.104 -39.034,-44.104 ; -39.036,-44.104 -39.034,-44.104 ; -39.036,-44.104 -39.036,-44.101 ; -39.036,-44.101 -39.034,-44.101 ; -39.036,-44.101 -39.034,-44.101 ; -39.036,-44.101 -39.034,-44.101 ; -39.034,-44.104 -39.034,-44.101 ; -39.034,-44.104 -39.034,-44.101 ; -39.034,-44.104 -39.034,-44.101 ; -38.995,-44.105 -38.995,-44.102 ; -38.995,-44.105 -38.994,-44.105 ; -38.995,-44.105 -38.995,-44.102 ; -38.995,-44.105 -38.994,-44.105 ; -38.995,-44.105 -38.994,-44.105 ; -38.995,-44.105 -38.995,-44.102 ; -38.995,-44.102 -38.994,-44.102 ; -38.995,-44.102 -38.994,-44.102 ; -38.995,-44.102 -38.994,-44.102 ; -38.994,-44.105 -38.994,-44.102 ; -38.994,-44.105 -38.994,-44.102 ; -38.994,-44.105 -38.994,-44.102 ; -38.993,-44.105 -38.993,-44.102 ; -38.993,-44.105 -38.992,-44.105 ; -38.993,-44.105 -38.993,-44.102 ; -38.993,-44.105 -38.992,-44.105 ; -38.993,-44.105 -38.992,-44.105 ; -38.993,-44.105 -38.993,-44.102 ; -38.993,-44.102 -38.992,-44.102 ; -38.993,-44.102 -38.992,-44.102 ; -38.993,-44.102 -38.992,-44.102 ; -38.992,-44.105 -38.992,-44.102 ; -38.992,-44.105 -38.992,-44.102 ; -38.992,-44.105 -38.992,-44.102 ; -38.979,-44.104 -38.979,-44.102 ; -38.979,-44.104 -38.976,-44.104 ; -38.979,-44.104 -38.979,-44.102 ; -38.979,-44.104 -38.976,-44.104 ; -38.979,-44.104 -38.976,-44.104 ; -38.979,-44.104 -38.979,-44.102 ; -38.979,-44.102 -38.976,-44.102 ; -38.979,-44.102 -38.976,-44.102 ; -38.979,-44.102 -38.976,-44.102 ; -38.978,-44.105 -38.976,-44.105 ; -38.978,-44.105 -38.978,-44.104 ; -38.978,-44.105 -38.976,-44.105 ; -38.978,-44.105 -38.978,-44.104 ; -38.978,-44.105 -38.978,-44.104 ; -38.978,-44.105 -38.976,-44.105 ; -38.978,-44.104 -38.976,-44.104 ; -38.978,-44.104 -38.976,-44.104 ; -38.978,-44.104 -38.976,-44.104 ; -38.976,-44.105 -38.976,-44.104 ; -38.976,-44.105 -38.976,-44.104 ; -38.976,-44.105 -38.976,-44.104 ; -38.976,-44.104 -38.976,-44.102 ; -38.976,-44.104 -38.976,-44.102 ; -38.976,-44.104 -38.976,-44.102
Mechanical 5:
  drawing of 420 lines, arcs and shapes, not listed
Mechanical 6:
  lines w0: -39.021,-44.127 -39.021,-44.114 ; -39.021,-44.127 -39.006,-44.127 ; -39.021,-44.127 -39.021,-44.114 ; -39.021,-44.127 -39.006,-44.127 ; -39.021,-44.127 -39.006,-44.127 ; -39.021,-44.127 -39.021,-44.114 ; -39.021,-44.114 -39.006,-44.114 ; -39.021,-44.114 -39.006,-44.114 ; -39.021,-44.114 -39.006,-44.114 ; -39.006,-44.127 -39.006,-44.114 ; -39.006,-44.127 -39.006,-44.114 ; -39.006,-44.127 -39.006,-44.114